# Altium PCB PCB1.PcbDoc
Units mm, origin at the board's own origin, x right, y up, seen from the top; angles counter-clockwise.
Board outline 69.09 x 48.26 mm, 4 copper layers (Top Layer, Internal Plane 1, Internal Plane 2, Bottom Layer); 20 components, 27 nets, 128 pads, 10 vias.
Unrouted connection lines stored in the file: 2.
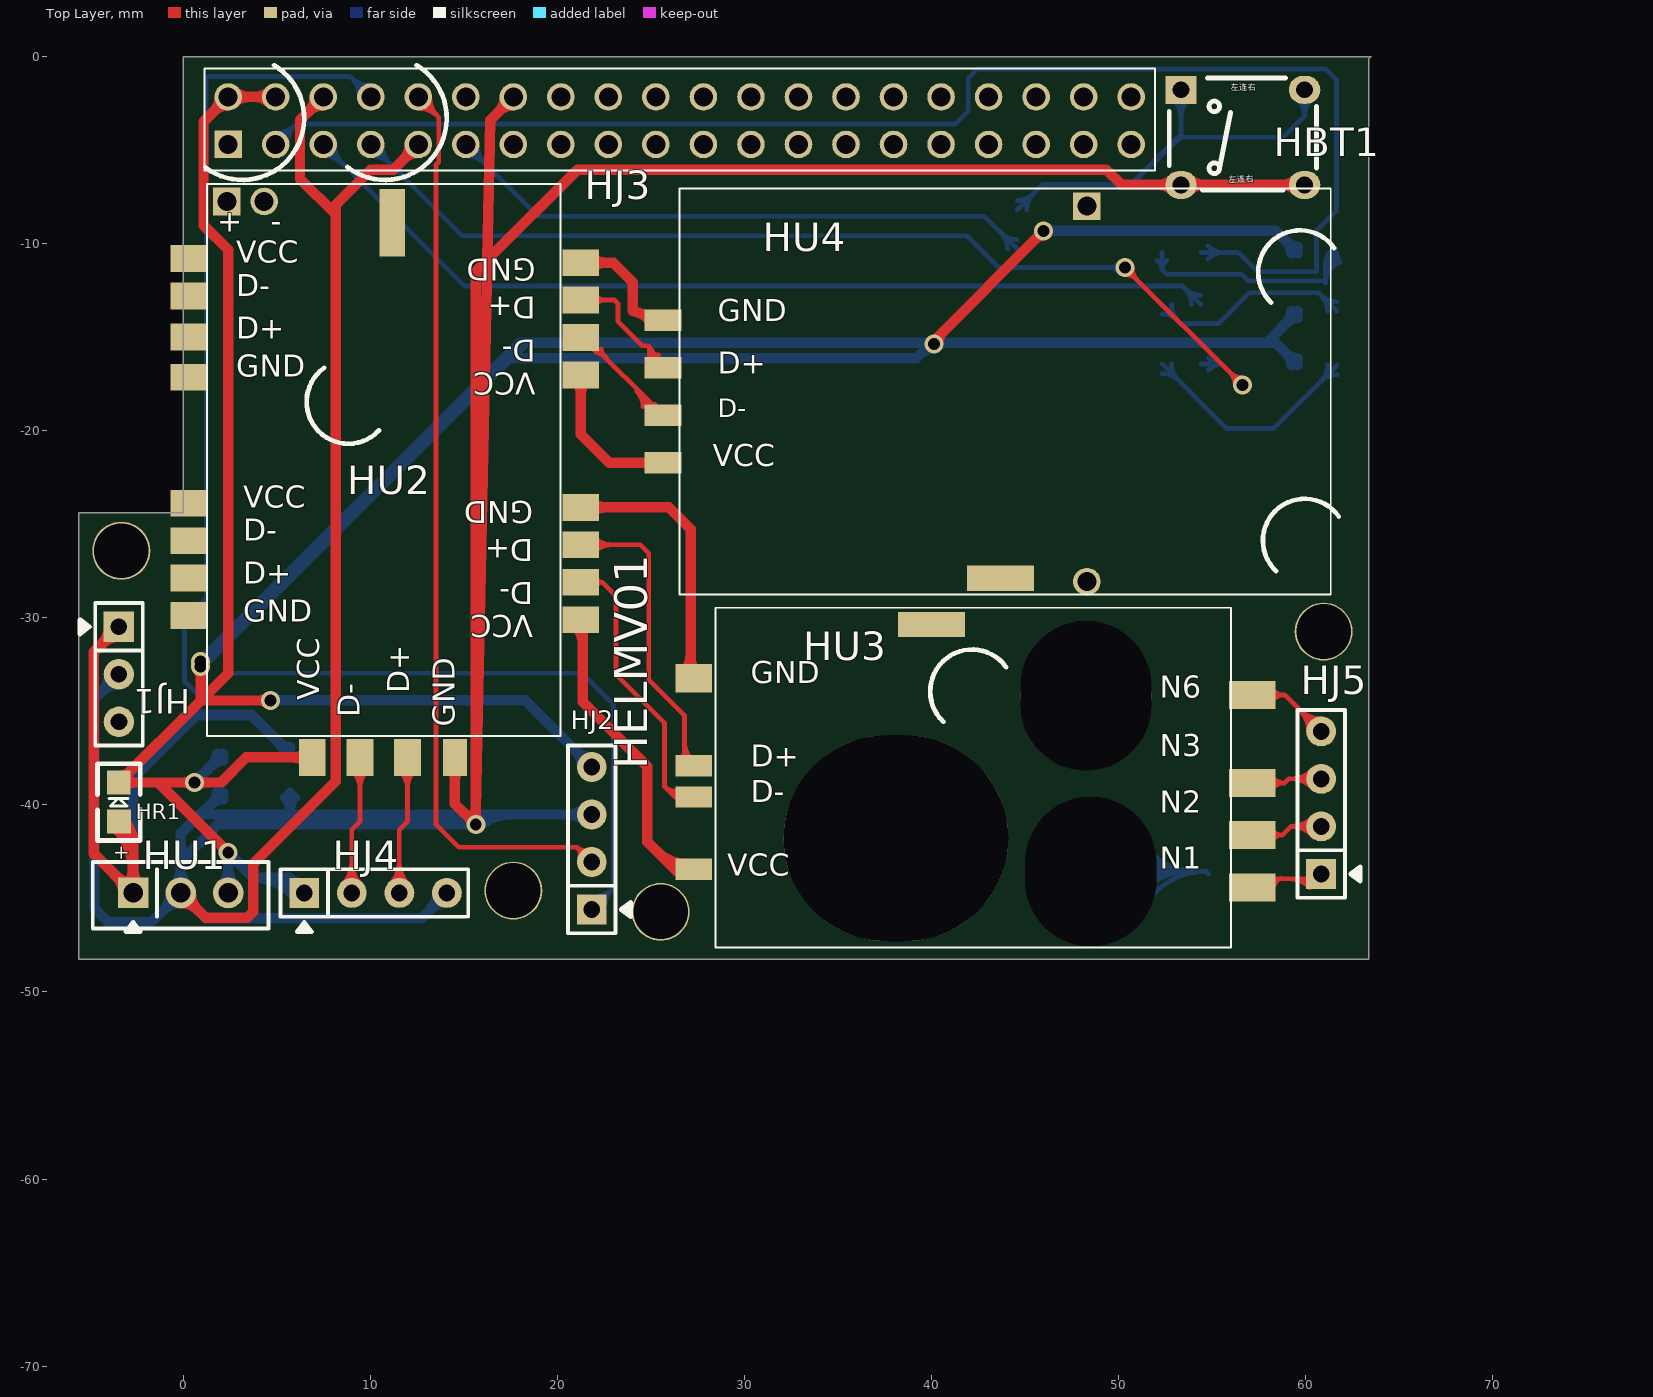
[diagram p0: Top Layer view]
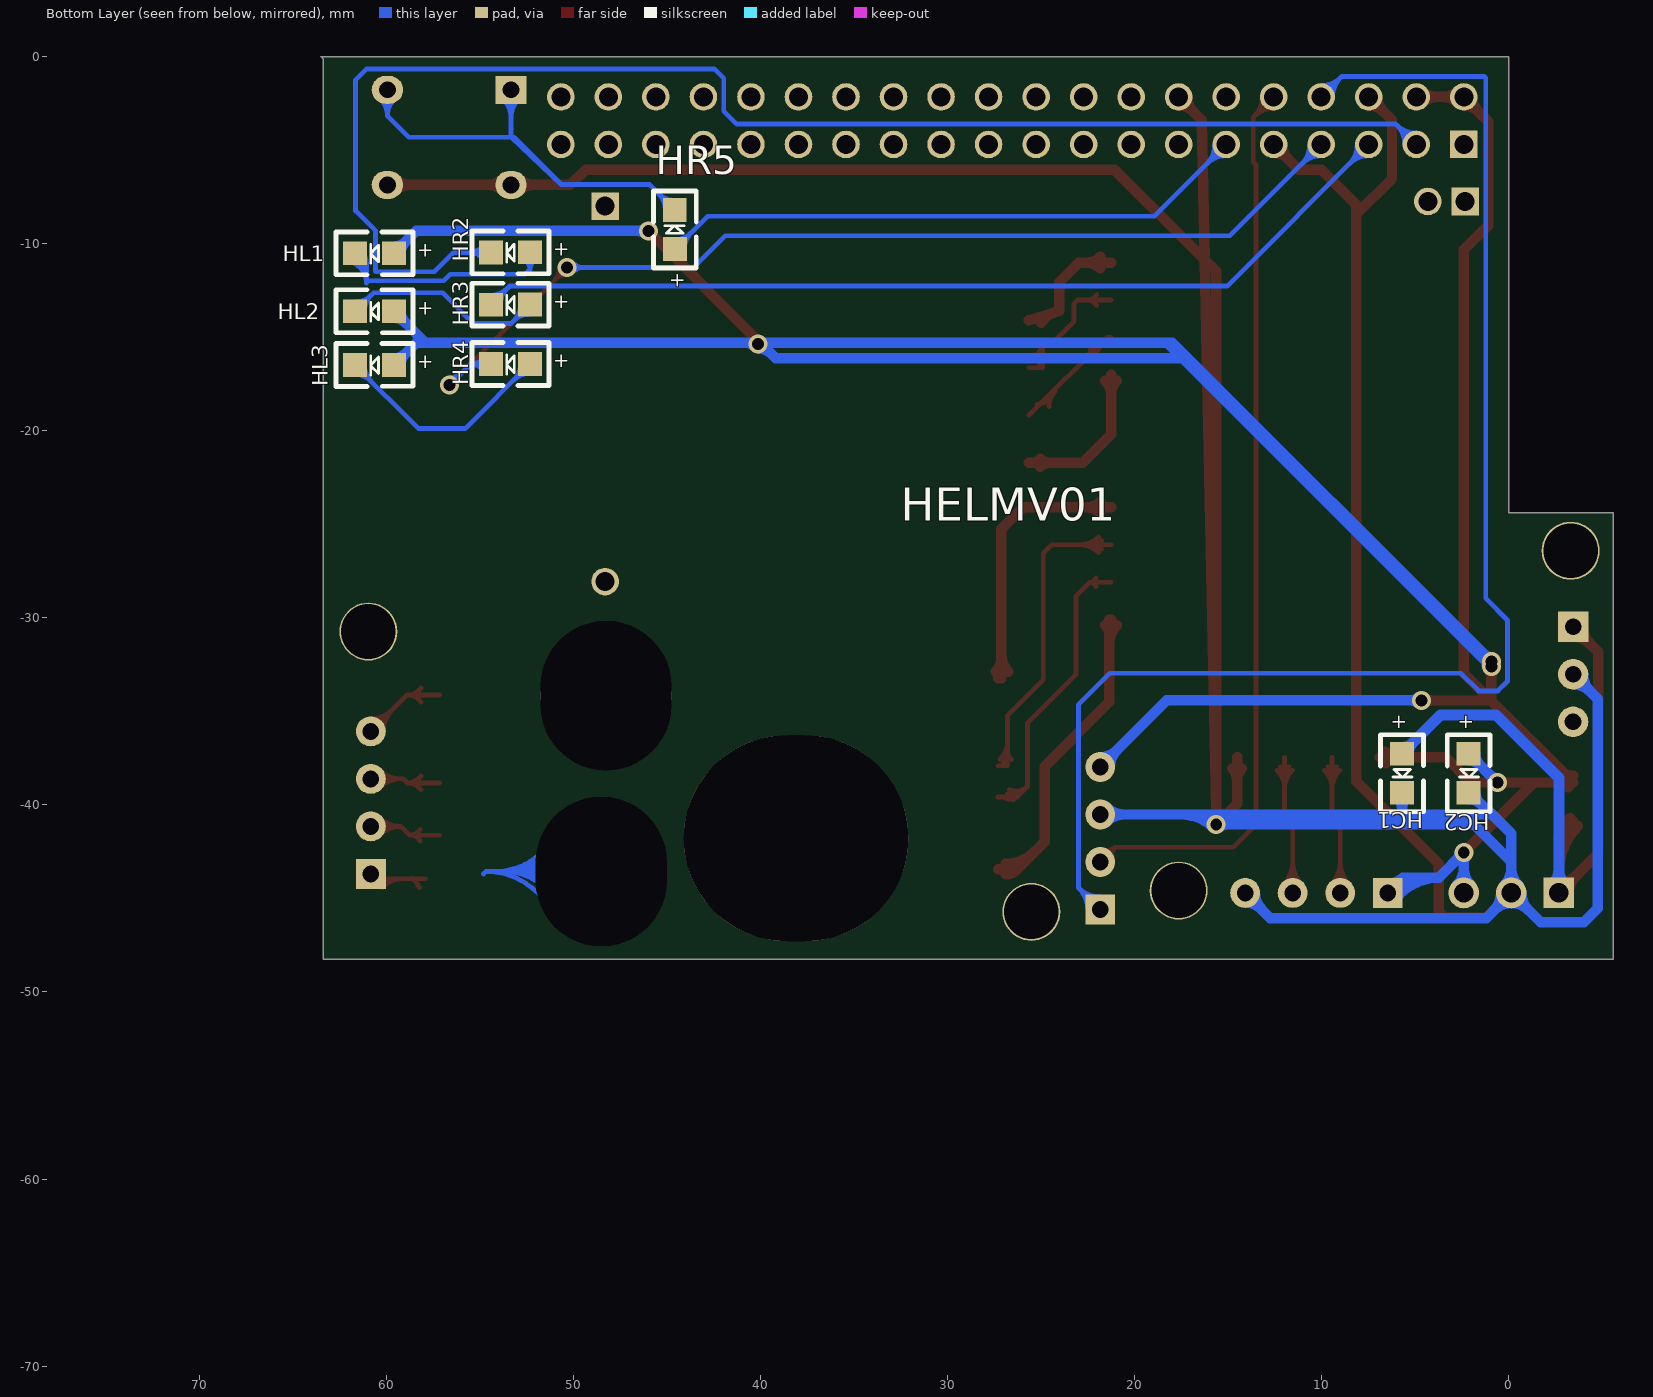
[diagram p1: Bottom Layer view, seen from below]
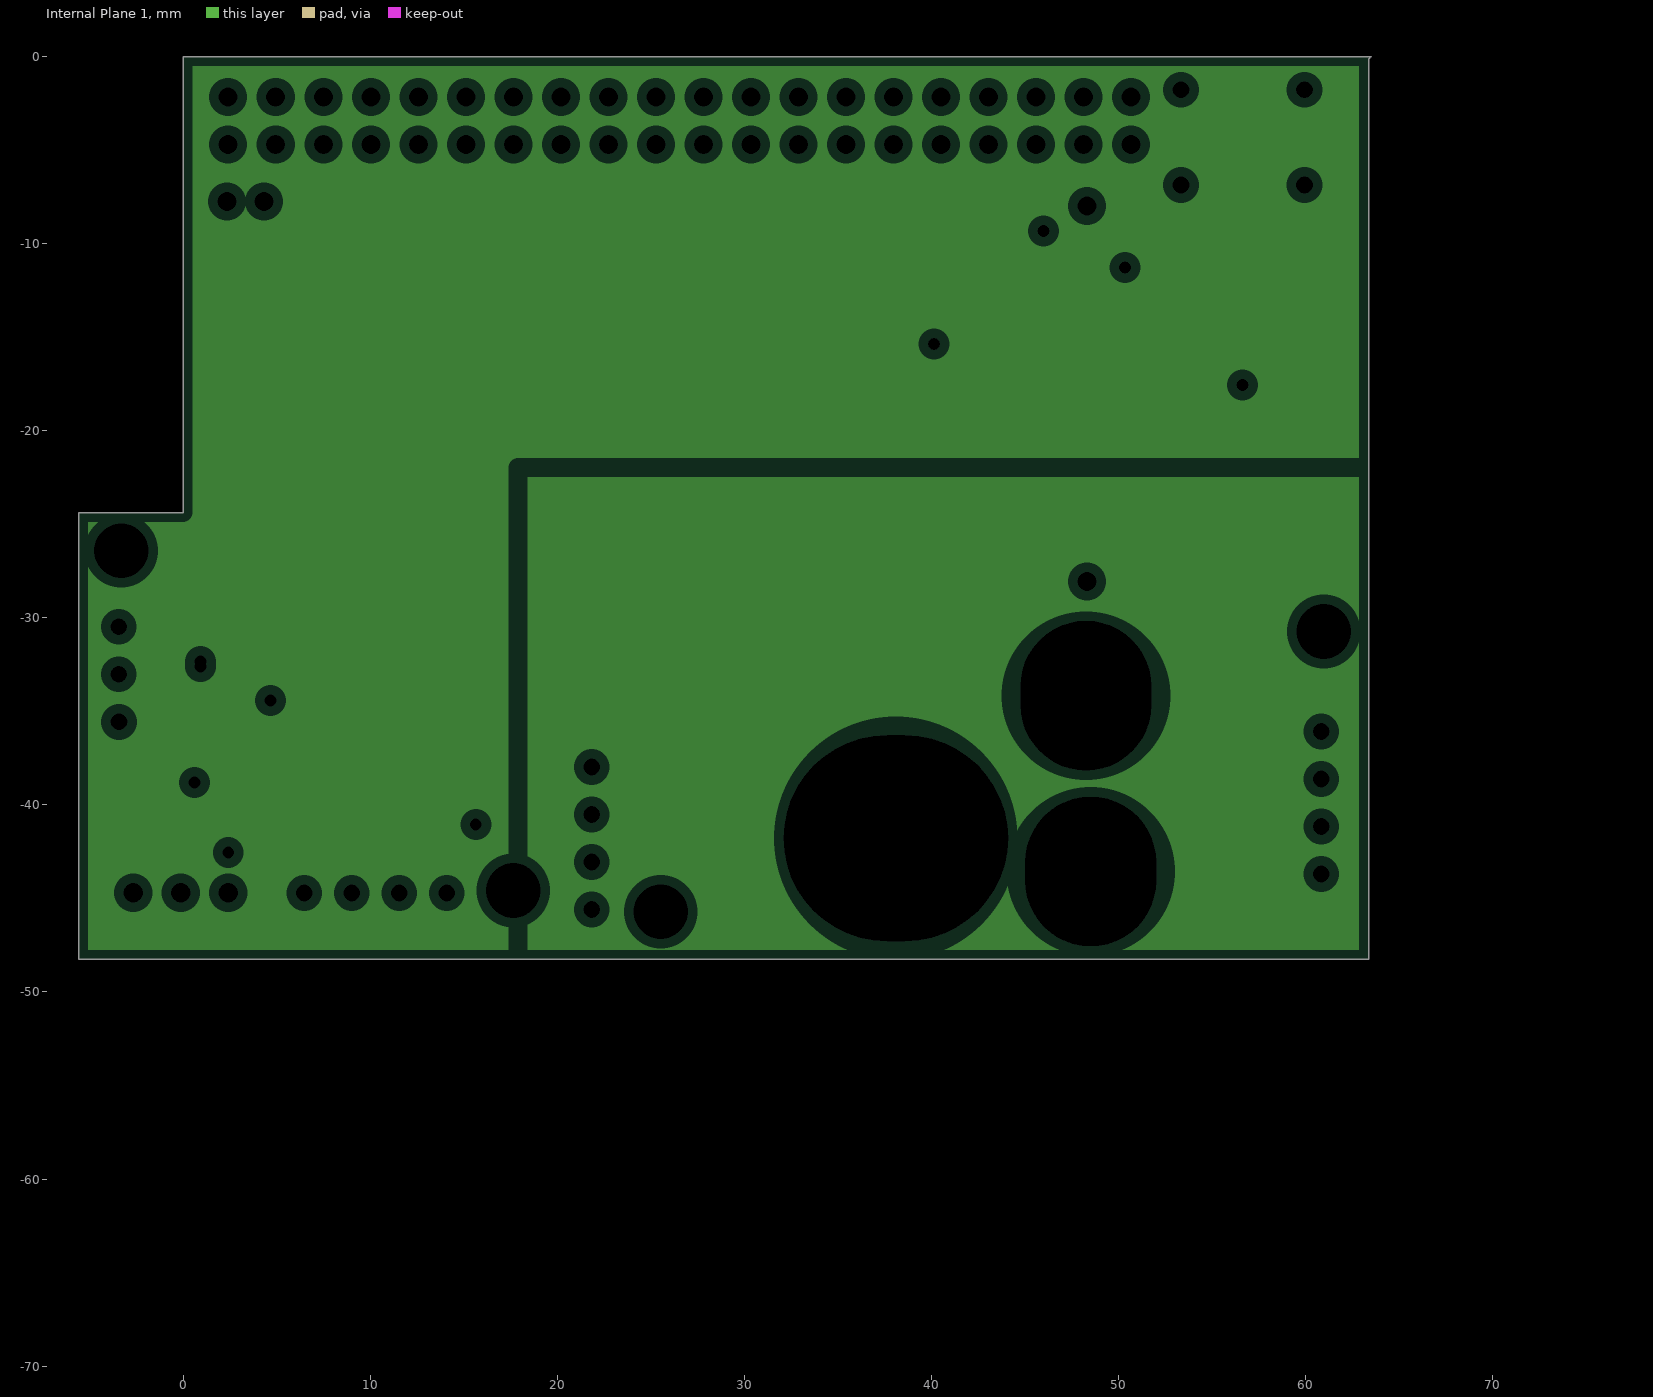
[diagram p2: Internal Plane 1, clearances drawn from the general rule]
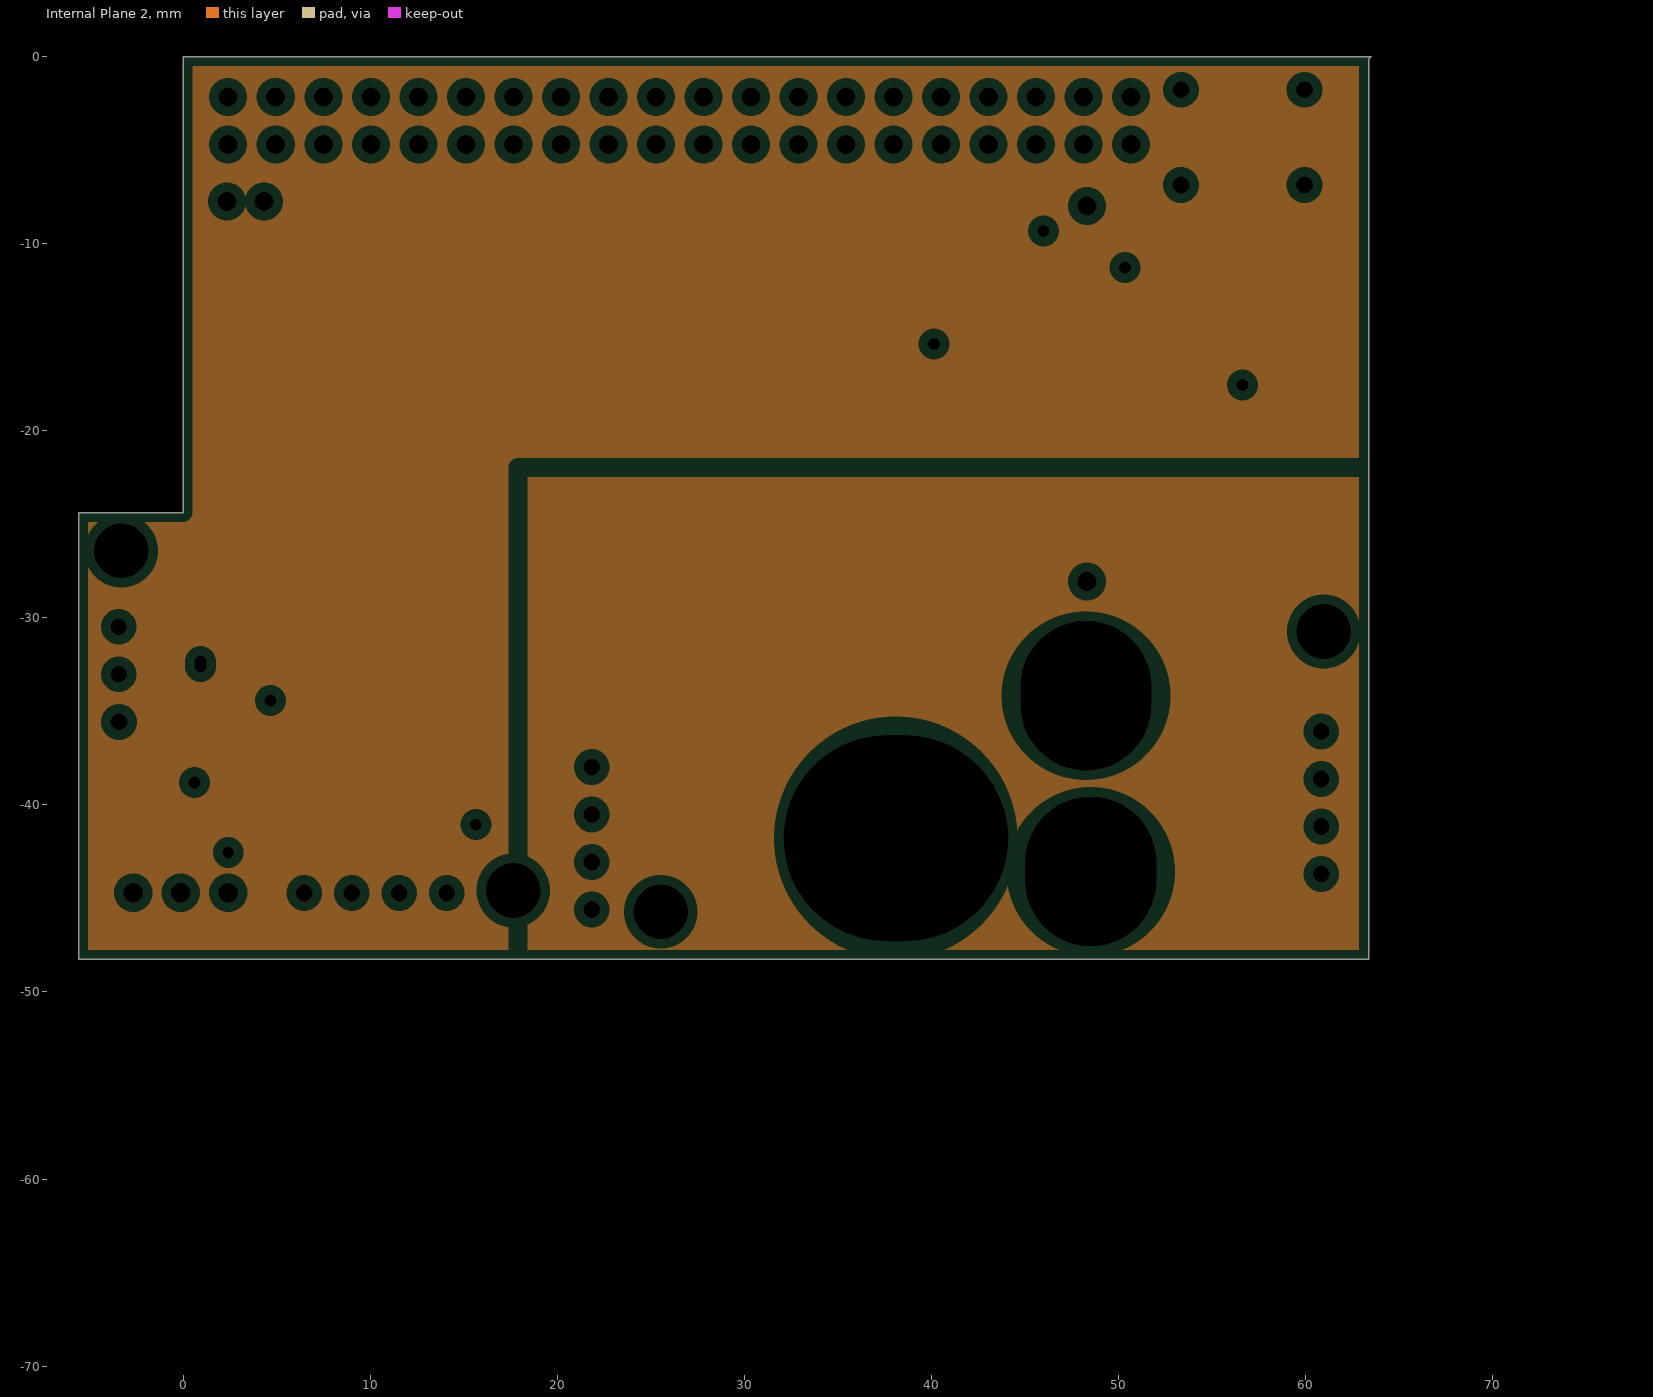
[diagram p3: Internal Plane 2, clearances drawn from the general rule]

## Layer stack, top to bottom
Top Layer: signal copper 0.0356
Dielectric: dielectric 0.32, FR-4, Dk 4.8
Internal Plane 1: plane copper 0.0356
Dielectric: dielectric 0.32, FR-4, Dk 4.8
Internal Plane 2: plane copper 0.0356
Dielectric: dielectric 0.32, FR-4, Dk 4.8
Bottom Layer: signal copper 0.0356

## Board outline
0,0 63.5,0 63.373,-0.127 63.373,-48.26 -5.588,-48.26 -5.588,-24.384 0,-24.384 0,0

## Design rules (kind name [scope] priority, off if disabled: settings)
Clearance [All] p1: gap=0.229
MinimumSolderMaskSliver [All] p1: minsoldermaskwidth=0
PlaneClearance [All] p1: clearance=0.508
PlaneConnect [All] p1: planeconnectstyle=Relief reliefexpansion=0.508 reliefentries=4 reliefconductorwidth=0.254 reliefairgap=0.254
PolygonConnect [All] p1: connectstyle=Relief reliefconductorwidth=0.254 reliefentries=4 polygonreliefangle="90 Angle"
RoutingTopology [All] p1: topology=Starburst
RoutingVias [All] p1: holewidth=0.635 width=1.016 viastyle="Through Hole" minholewidth=0.711 minwidth=1.27 maxholewidth=0.711 maxwidth=1.27
SilkToSilkClearance [All] p1: silktosilkclearance=0
SilkscreenOverComponentPads [All] p1: minsilkscreentomaskgap=0
SolderMaskExpansion [All] p1: expansion=0.102
Width "Schematic Width Constraint_6" [InNet('NetHU2_5')] p1: maxlimit=0.559 minlimit=0.406 preferedwidth=0.559 minimp=50.000000 maximp=50.000000 favimp=50.000000
Width "Schematic Width Constraint_4" [InNet('NetHU2_8')] p2: maxlimit=0.559 minlimit=0.406 preferedwidth=0.559 minimp=50.000000 maximp=50.000000 favimp=50.000000
Width "Schematic Width Constraint_3" [InNet('NetHU2_9')] p3: maxlimit=0.559 minlimit=0.406 preferedwidth=0.559 minimp=50.000000 maximp=50.000000 favimp=50.000000
Width "Schematic Width Constraint" [InNet('NetHU2_12')] p4: maxlimit=0.559 minlimit=0.406 preferedwidth=0.559 minimp=50.000000 maximp=50.000000 favimp=50.000000
Width "Schematic Width Constraint_2" [InNet('NetHBT1_2')] p5: maxlimit=0.559 minlimit=0.406 preferedwidth=0.559 minimp=50.000000 maximp=50.000000 favimp=50.000000
Width "Schematic Width Constraint_5" [InNet('NetHC1_1')] p6: maxlimit=0.584 minlimit=0.406 preferedwidth=0.584 minimp=50.000000 maximp=50.000000 favimp=50.000000
Width "Schematic Width Constraint_1" [InNet('NetHC2_1')] p7: maxlimit=0.559 minlimit=0.406 preferedwidth=0.559 minimp=50.000000 maximp=50.000000 favimp=50.000000
Width [All] p8: maxlimit=0.254 minlimit=0.203 preferedwidth=0.254 minimp=50.000000 maximp=50.000000 favimp=50.000000
22 further rules are at their usual default settings.

## Components (designator, comment, footprint, x,y, rotation, side; value= is the part's Value field where it differs from the comment)
HBT1 "BUTT" BUTT_01 48.387,-0.635 r0 top
HC1 "106" LED0805 5.715,-37.262 r270 bottom
HC2 "106" LED0805 2.159,-37.262 r270 bottom
HJ1 "PIN3" JP3_1 -3.429,-30.48 r270 top
HJ2 "PIN4" JP4_1 21.844,-45.593 r90 top
HJ3 "PI_CONNECTOR-40" PI_CONNECTOR 2.413,-4.699 r90 top
HJ4 "PIN4" JP4_1 6.477,-44.704 r0 top
HJ5 "PIN4" JP4_1 60.833,-43.688 r90 top
HL1 "LED" LED0805 59.588,-10.516 r0 bottom
HL2 "LED" LED0805 59.588,-13.614 r0 bottom
HL3 "LED" LED0805 59.588,-16.485 r0 bottom
HR1 "330" LED0805 -3.429,-40.894 r90 top
HR2 "330" LED0805 52.324,-10.465 r0 bottom
HR3 "330" LED0805 52.324,-13.259 r0 bottom
HR4 "330" LED0805 52.324,-16.434 r0 bottom
HR5 "330" LED0805 44.577,-10.287 r90 bottom
HU1 "7805" TO220_1 -2.667,-44.704 r0 top
HU2 "USBHUB" USBHUB 21.209,-24.13 r0 top
HU3 "USBNET_LUSHL" USBNET_LUSHL 28.448,-47.625 r270 top
HU4 "LVLIAN_SND" LVLIAN_SND 26.543,-25.4 r270 top

## Footprints (in the part's own frame and the unit in brackets; to place one, negate y for a bottom-side part, rotate by r counter-clockwise, add the part's x,y. Pads: shape width x height; smd on the part's side, far side on the other; paste and mask are expansions set on the pad)
BUTT_01 [mil] "小按钮1"
  rect 66x59.05 hole 35.43: 1(195,-45)
  oval 66x59.05 hole 35.43: 2(195,-245) 3(455,-45) 4(455,-245)
  silkscreen extent 170,-257 480,-20
JP3_1 [mil]
  rect 64x64 hole 35: 1(0,0)
  round 64 hole 35: 2(100,0)
  round 64 hole 35.43: 3(200,0)
  silkscreen extent -50,-82 250,50
JP4_1 [mil]
  rect 63x63 hole 35.43: 1(0,0)
  round 63 hole 35.43: 2(100,0) 3(200,0) 4(300,0)
  silkscreen extent -50,-82 345,50
LED0805 [mm]
  rect 1.27x1.27 smd: 1(0,0) 2(2.09,0.005)
  silkscreen extent -1.01,-1.14 3.1,1.15, body extent 0.05,-0.64 2.03,0.64, height 0.5
LVLIAN_SND [mil] "Â"
  rect 45x77 smd: 1(-145,-35) 2(-245,-35) 3(-345,-35) 4(-445,-35)
  rect 58x58 hole 40: 5(-685,856.81)
  round 58 hole 40: 6(105,856.81)
  rect 53.15x141.73 smd: 7(97.83,675)
  silkscreen extent -722,0 132,1387